# Altium PCB PROC114E3_BRD.PcbDoc (part 7 of 18)
Units mm, origin at the board's own origin, x right, y up, seen from the top; angles counter-clockwise.
Board outline 85 x 155.18 mm, 10 copper layers (TOP, L02_GND1, L03_SIG1, L04_GND2, L05_PWR1, L06_PWR2, L07_GND3, L08_SIG2, L09_GND4, BOTTOM), stack 1.134 mm thick; 1389 components, 1010 nets, 5137 pads, 3263 vias.
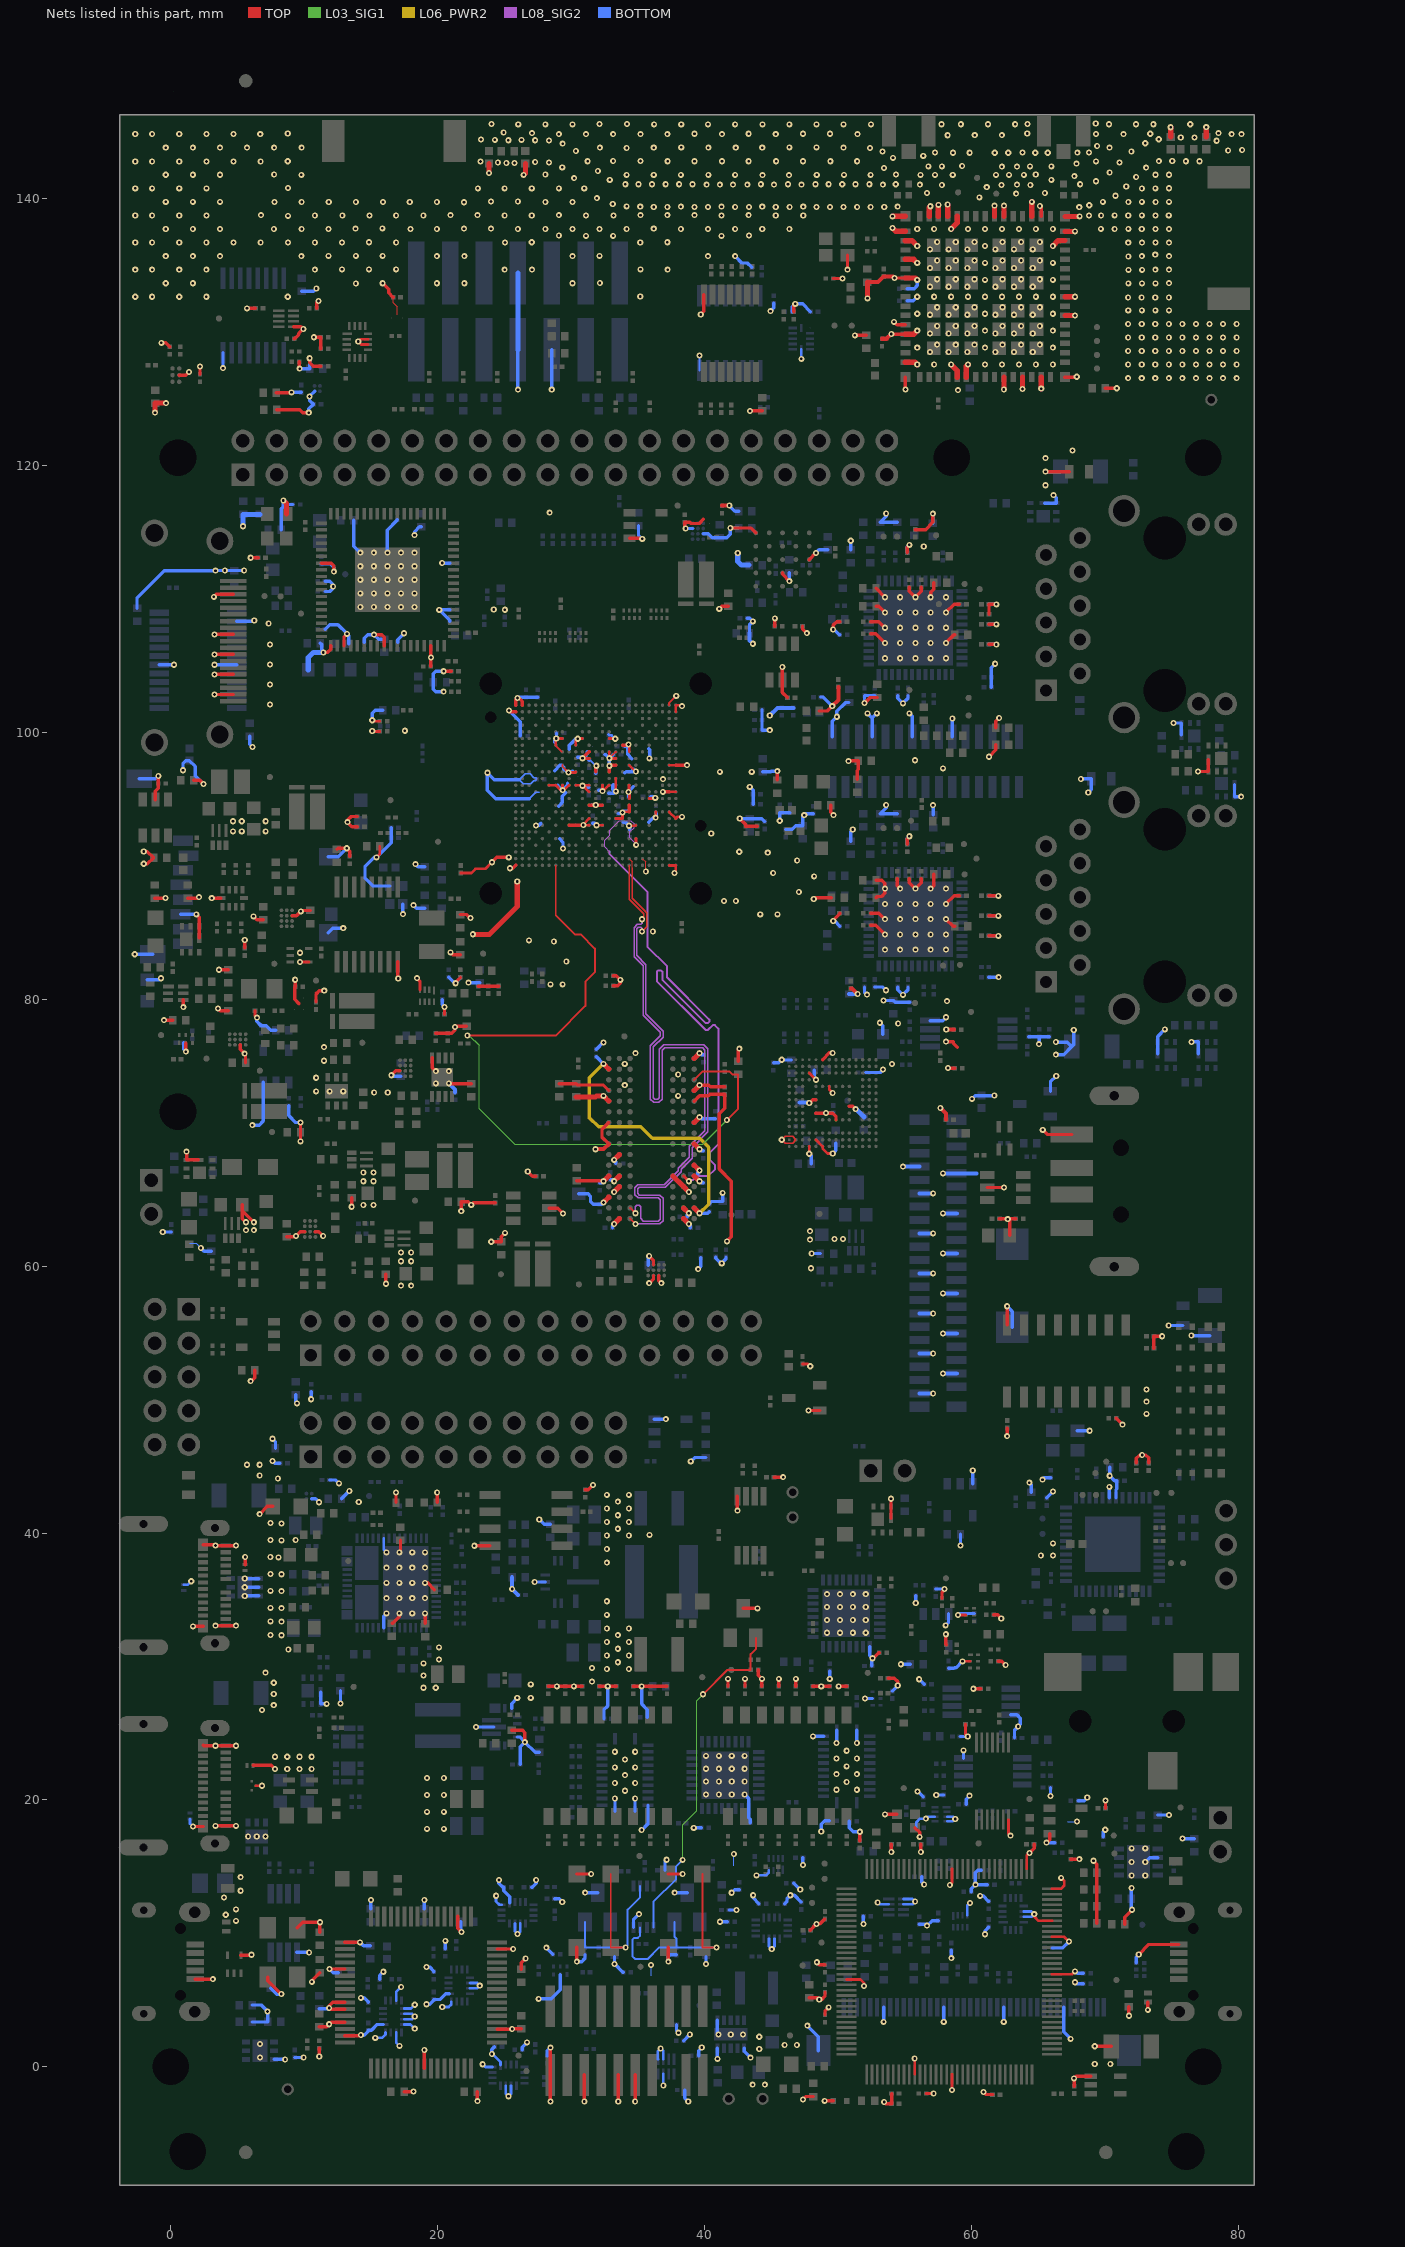
[diagram p15: the nets of this part, all layers, seen from the top]

## Via types
v1: diameter 0.457, hole 0.203, TOP to BOTTOM, 3263 vias

## Nets (pads, with @x,y where several pads share a name; then routed paths per layer and width w, separated by ;. In a path a pad name is that pad's centre, name@x,y a point inside that pad or via, vN(x,y) a via of type N, cw(c..) or ccw(c..) an arc to the next point about the centre after c; other vN are vias at no path point) (continued)
DDR_RESET#:  | length 55.8
  TOP w0.102: 28.86,86.302 28.86,90.045
  TOP w0.147: v1(22.236,77.283) 28.849,77.283 31.078,79.512 31.078,81.316 31.789,82.027 31.789,83.805 30.723,84.872 30.291,84.872 28.86,86.302 ; 39.234,73.966 39.844,74.576 41.52,74.576 41.892,74.576 42.102,74.366 42.536,74.366 42.536,71.804 v1(41.684,70.951)
  L03_SIG1 w0.091: v1(22.236,77.283) 22.394,77.283 23.113,76.564 23.113,71.812 25.77,69.155 39.887,69.155 v1(41.684,70.951)
DDR_TEN:  | length 3.9
  TOP w0.23: 29.119,73.668 30.389,73.668 30.492,73.566 32.434,73.566 32.834,73.165
DDR_UDM:  | length 49.3
  TOP w0.23: 34.86,92.045 34.86,91.693 34.864,91.689 34.864,91.609 34.885,91.589 v1(34.885,91.576) ; 38.434,66.765 v1(38.834,66.366)
  L08_SIG2 w0.081: 32.887,91.059 32.517,91.429 32.517,91.906 32.91,92.299 32.91,92.674 33.626,93.391 34.484,93.391 34.732,93.143 34.732,92.869 34.408,92.545 34.408,92.095 34.864,91.639 v1@34.864,91.609
  L08_SIG2 w0.147: 32.887,91.059 32.887,90.893 35.729,88.05 35.729,83.944 37.214,82.46 37.214,81.633 40.366,78.481 40.366,78.328 40.258,78.22 40.106,78.22 36.845,81.48 36.845,82.075 36.745,82.175 36.534,82.175 36.445,82.086 36.445,81.36 40.106,77.699 40.258,77.699 40.627,78.067 40.78,78.067 41.048,77.798 41.048,69.119 40.413,68.484 40.413,67.968 40.805,67.576 40.805,67.267 40.304,66.766 39.453,66.766 39.13,66.443 38.911,66.443 v1(38.834,66.366) ; v1@34.864,91.609 34.885,91.589 v1(34.885,91.576)
DDR_UDQS_N:  | length 49.3
  TOP w0.081: 34.36,90.545 34.611,90.295 34.611,89.854
  TOP w0.102: 34.611,89.854 34.611,87.587 35.694,86.504 35.694,85.452 v1(35.325,85.084)
  TOP w0.153: 34.434,63.566 v1(34.834,63.165)
  L08_SIG2 w0.107: v1(34.834,63.165) 36.65,63.165 36.905,63.42 36.905,65.071 36.647,65.329 35.133,65.329 35.004,65.458 35.004,65.796 35.111,65.903 37.078,65.903 38.249,67.073 38.249,67.247 39.089,68.087 39.089,68.887 40.258,70.056 40.258,76.288 39.956,76.59 36.938,76.59 36.609,76.261 36.609,72.603 36.502,72.497 36.281,72.497 36.174,72.603 36.174,76.441 36.904,77.17 36.904,77.621 35.622,78.902 35.622,82.602 34.942,83.283 34.942,85.283 35.048,85.39 35.219,85.39 35.325,85.283 v1(35.325,85.084)
DDR_UDQS_P:  | length 49.3
  TOP w0.102: 34.36,90.045 34.387,90.018 34.387,87.494 35.47,86.411 35.47,86.143 v1(35.325,85.999)
  TOP w0.153: 34.434,64.366 v1(34.834,63.966)
  L08_SIG2 w0.107: v1(34.834,63.966) 34.834,64.446 34.94,64.553 35.117,64.553 35.23,64.44 35.23,63.585 35.433,63.381 36.561,63.381 36.689,63.51 36.689,64.981 36.557,65.113 35.043,65.113 34.788,65.368 34.788,65.886 35.021,66.119 36.989,66.119 38.033,67.163 38.033,67.336 38.873,68.177 38.873,68.976 40.043,70.145 40.043,76.198 39.867,76.374 37.028,76.374 36.825,76.171 36.825,72.514 36.592,72.281 36.191,72.281 35.959,72.514 35.959,76.53 36.688,77.26 36.688,77.531 35.406,78.812 35.406,82.513 34.726,83.193 34.726,85.373 34.959,85.606 35.219,85.606 35.325,85.712 v1(35.325,85.999)
DDR_VPP:  | length 22.2
  TOP w0.381: v1(32.434,75.165) 32.834,74.765 ; 39.234,64.366 v1(39.634,63.966)
  L06_PWR2 w0.254: v1(32.434,75.165) 31.383,74.115 31.383,71.13 32.069,70.444 35.244,70.444 36.107,69.581 39.638,69.581 40.324,68.895 40.324,64.656 v1(39.634,63.966)
  BOTTOM w0.254: 31.873,75.686 31.913,75.686 v1(32.434,75.165) ; v1(39.634,63.966) 40.239,63.966 40.352,64.079
DDR_VREFCA:  | length 14.2
  TOP w0.254: 39.234,72.366 39.634,72.765 40.308,72.765 40.416,72.874 41.52,72.874 41.52,71.831 41.124,71.435 41.124,67.282 42.026,66.38 42.026,63.847 42.026,62.189 v1(41.695,61.859)
DEBOUNCE_GPIO_INT_SOC:  | length 17.8
  TOP w0.147: 39.841,14.444 39.841,8.944 v1(40.908,8.944)
  BOTTOM w0.147: 35.183,10.441 35.183,9.83 35.015,9.662 34.761,9.662 34.609,9.51 34.609,8.291 34.822,8.077 35.767,8.077 36.634,8.944 37.911,8.944 ; 37.758,10.848 37.758,9.738 37.911,9.586 37.911,8.944 ; v1(40.908,8.944) 40.121,8.944 38.927,8.944 37.911,8.944
DEBOUNCE_MCU_RESETZ:  | length 25.9
  TOP w0.147: v1(39.898,27.915) 41.731,29.748 42.018,29.748 43.472,29.748 43.472,30.51 43.472,30.921 43.852,31.301 43.852,32.152
  L03_SIG1 w0.091: v1(38.368,15.504) 38.368,18.124 39.431,19.187 39.431,27.447 v1(39.898,27.915)
  BOTTOM w0.147: 36.183,10.441 36.183,12.354 37.885,14.056 37.885,15.022 v1(38.368,15.504)
DEBOUNCE_SOC_WARMRESETN:  | length 16.6
  TOP w0.147: 32.983,14.444 32.983,8.944 v1(34.101,8.944)
  BOTTOM w0.147: 31.053,10.848 31.053,8.944 32.069,8.944 33.263,8.944 v1(34.101,8.944) 34.254,9.097 34.254,11.781 35.183,12.71 35.183,13.541
DGND:  | length 851.5
  TOP w0.081: 35.361,90.545 35.611,90.295 v1(35.611,89.581)
  TOP w0.086: 16.674,132.609 16.674,132.189 16.968,131.895 16.968,131.297
  TOP w0.102: 28.86,99.045 28.86,99.006 29.322,98.545 29.361,98.545 ; v1(45.8,69.472) 46.05,69.222 46.61,69.222 46.86,69.472 46.61,69.722 46.05,69.722 v1(45.8,69.472)
  TOP w0.152: v1@29.361,95.658 v1(29.379,95.677) ; 29.361,97.545 29.361,97.455 v1(29.816,97) ; v1(32.88,98.062) 33.361,98.542 33.361,98.545 ; 37.361,102.045 37.361,102.211 v1(37.888,102.739)
  TOP w0.203: 6.376,21.058 v1(6.847,21.058) ; 14.794,129.072 14.285,129.072 v1(14.06,129.296) 14.235,129.471 14.794,129.471 ; v1(15.107,100.101) 15.133,100.075 15.679,100.075 ; v1(15.107,100.914) 15.184,100.837 15.679,100.837 ; v1(15.432,90.637) 15.664,90.87 15.664,91.473 ; 21.751,89.467 22.54,89.467 22.846,89.774 23.579,89.774 v1(24.079,90.274) ; 28.36,96.045 28.86,96.045 29.247,95.658 29.361,95.658 29.361,96.045 ; 28.86,99.045 28.86,99.507 v1(28.899,99.545) 29.361,99.545 ; v1(29.379,95.677) 29.492,95.677 29.86,96.045 ; v1(29.816,97) 30.315,97 30.36,97.045 ; 30.36,96.045 30.817,96.045 v1(30.86,96.002) ; 30.36,99.045 30.36,99.376 v1(30.509,99.525) 30.53,99.545 30.86,99.545 ; 31.361,93.045 30.944,93.045 v1(30.928,93.061) 30.928,93.113 31.361,93.545 ; 31.361,95.545 30.904,96.002 v1(30.86,96.002) 30.904,96.045 31.361,96.045 ; v1(31.922,93.045) 32.36,93.045 ; 32.36,96.045 v1(32.36,95.601) 32.416,95.601 32.86,96.045 ; 32.86,98.545 32.86,98.082 v1(32.88,98.062) 32.897,98.045 33.361,98.045 ; 32.86,99.545 33.3,99.545 v1(33.318,99.527) ; 33.361,93.545 33.86,93.545 v1(33.86,94.002) 33.872,94.002 33.915,94.045 34.36,94.045 ; v1(33.361,95.588) 33.361,96.045 33.361,96.545 ; v1(34.318,99.088) 34.36,99.046 34.36,98.545 ; v1(34.357,93.01) 34.825,93.01 34.86,93.045 ; 34.36,95.045 34.38,95.065 34.38,95.47 v1(34.318,95.532) 34.355,95.568 34.355,96.039 34.36,96.045 ; 34.36,97.545 34.84,97.065 v1(34.86,97.065) ; 35.86,95.045 36.263,95.045 v1(36.318,95.1) ; v1(36.346,93.612) 36.346,93.627 36.36,93.641 36.36,94.045 ; 37.361,90.045 37.378,90.028 37.843,90.028 37.86,90.045 37.86,89.571 v1(37.758,89.469) ; 37.361,94.045 37.86,93.545 37.99,93.674 v1(38.32,93.674) ; 37.361,95.545 37.86,95.545 ; 37.361,97.545 37.86,97.545 ; 37.86,101.545 37.86,102.045 38.238,102.045 v1(38.316,101.967) ; v1(47.86,68.427) 47.86,68.972 ; 47.86,74.472 v1(48.36,73.972) ; 48.36,69.472 48.86,68.972 48.86,68.817 49.239,68.438 v1(49.62,68.438) ; 49.36,73.472 49.36,73.222 v1(49.61,72.972) ; 50.658,6.537 51.703,6.537 51.957,6.283 v1(51.957,6.048) ; 55.758,-0.563 v1(55.758,0.618) ; v1(58.396,13.625) 58.558,13.786 58.558,14.837 ; v1(58.558,-1.744) 58.558,-0.563 ; v1(59.008,33.862) 59.592,33.862 ; v1(59.337,30.382) 59.921,30.382 ; 62.794,18.512 62.794,17.47 v1(62.941,17.323) ; 64.158,14.837 64.158,15.819 v1(64.358,16.019) ; v1(64.721,11.44) 64.721,11.249 65.033,10.937 66.058,10.937 ; 66.058,6.938 67.571,6.938 v1(67.781,7.148) ; 66.058,9.737 66.969,9.737 v1(67.324,9.383) ; 66.058,13.337 66.732,13.337 66.968,13.574 66.968,13.933 v1(66.741,14.161)
  TOP w0.254: v1(-2.02,90.16) -1.741,90.16 -1.284,90.617 -1.741,91.074 v1(-2.02,91.074) ; -1.19,87.587 v1(-0.39,87.587) ; -1.143,94.965 -1.143,95.602 -0.926,95.818 -0.926,96.175 v1(-0.926,96.733) ; v1(-0.697,129.195) -0.354,129.195 -0.057,128.897 ; v1(-0.505,78.44) 0.155,78.44 ; 0.64,126.779 1.141,126.779 v1(1.373,127.01) ; 0.945,79.952 0.954,79.943 v1(0.954,79.411) ; v1(1.135,76.079) 1.135,76.714 ; v1(1.194,68.58) 1.194,67.968 2.074,67.968 ; 1.274,87.587 2.031,87.587 2.097,87.653 v1(2.122,87.653) ; v1(1.668,18.008) 2.43,18.008 ; v1(1.668,33.008) 2.43,33.008 ; 1.723,96.403 2.198,96.403 v1(2.465,96.136) ; 1.84,6.564 v1(3.163,6.564) ; v1(1.922,86.367) 2.142,86.146 2.142,85.475 2.142,84.595 ; 2.196,126.845 v1(2.196,127.425) ; 2.43,24.108 2.48,24.058 v1(3.368,24.058) 4.13,24.058 v1(4.892,24.058) ; 2.43,39.108 3.318,39.108 v1(3.368,39.058) 4.13,39.058 v1(4.892,39.058) ; v1(3.078,87.577) 3.777,87.577 ; v1(3.235,110.165) 3.417,110.346 4.69,110.346 ; v1(3.281,102.847) 4.69,102.847 ; v1(3.281,104.347) 4.69,104.347 ; v1(3.281,105.847) 4.69,105.847 ; v1(3.281,107.346) 4.69,107.346 ; v1(3.368,18.058) 4.13,18.058 v1(4.892,18.058) ; v1(3.368,33.058) 4.13,33.058 v1(4.892,33.058) ; v1(3.545,79.309) 3.704,79.149 4.332,79.149 ; v1(3.619,82.212) 4.332,82.212 ; 5.222,76.585 5.222,76.254 v1(5.546,75.93) 5.612,75.864 5.612,75.231 ; 5.258,8.371 6.038,8.371 v1(6.059,8.392) ; 5.369,64.598 5.369,64.152 ; 5.55,83.843 v1(5.55,84.451) ; 5.58,37.625 v1(5.58,38.199) ; v1(5.644,63.288) 5.369,63.563 5.369,64.152 ; v1(5.716,131.783) 6.353,131.783 ; v1(5.992,51.381) 6.052,51.381 6.312,51.641 6.312,52.197 ; v1(5.996,113.091) 6.554,113.091 ; 6.178,22.591 7.551,22.591 v1(7.824,22.317) ; v1(6.216,86.218) 6.468,85.965 6.93,85.965 ; v1(6.233,63.288) 5.369,64.152 ; 6.323,79.155 6.323,78.765 v1(6.466,78.623) ; v1(6.669,41.412) 7.253,41.996 7.638,41.996 ; 7.285,6.723 7.285,6.455 v1(8.294,5.446) ; 7.921,125.461 9.032,125.461 v1(9.056,125.485) ; 7.946,124.191 9.666,124.191 9.895,123.963 v1(10.352,123.963) ; 8.697,62.199 9.33,62.199 v1(9.395,62.265) 9.719,62.589 10.05,62.589 ; 9.101,86.269 9.432,86.269 v1(9.756,86.593) 9.821,86.658 10.454,86.658 ; 9.202,130.413 9.77,130.413 v1(9.944,130.238) 9.607,129.901 9.607,129.819 9.28,129.492 9.267,129.492 ; v1(9.33,81.465) 9.33,80.935 9.292,80.896 9.292,80.098 9.292,79.993 9.617,79.668 ; 9.486,10.423 9.894,10.831 v1(11.19,10.831) 11.18,10.82 11.18,10.086 ; 9.632,127.789 9.632,127.297 v1(9.666,127.264) ; v1(9.696,82.797) 10.356,82.797 ; v1(9.732,69.351) 9.732,70.049 v1(9.732,70.764) ; v1(10.416,128.04) 10.416,127.713 10.7,127.43 11.244,127.43 ; v1(10.58,6.36) 10.58,6.46 11.18,7.059 ; v1(10.733,129.619) 11.247,129.619 11.247,128.755 ; 10.85,62.589 11.103,62.589 v1(11.427,62.265) ; 10.893,79.798 10.893,80.396 11.142,80.646 v1(11.512,80.646) ; 10.952,131.783 10.952,132.203 v1(11.078,132.329) ; 11.129,3 11.691,3 v1(11.876,3.185) 12.013,3.323 13.059,3.323 ; v1(11.139,0.772) 11.139,1.381 ; 11.295,112.69 12.049,112.69 12.23,112.509 v1(12.23,112.052) ; v1(11.444,105.992) 11.741,105.992 11.995,106.246 11.995,106.49 ; v1(11.897,7.323) 13.059,7.323 ; 12.462,91.242 12.543,91.323 v1(13.197,91.323) 13.425,91.095 13.425,90.714 ; 12.995,106.49 12.995,107.164 v1(13.22,107.389) ; 13.059,2.323 14.2,2.323 v1(14.251,2.373) ; 13.059,4.323 11.96,4.323 v1(11.878,4.404) 11.878,4.569 12.132,4.823 13.059,4.823 ; 13.059,9.323 v1(14.189,9.323) ; v1(13.567,64.45) 13.567,65.128 ; 13.975,92.939 13.588,92.939 v1(13.247,93.279) 13.247,93.421 13.527,93.701 13.975,93.701 ; v1(15.24,107.326) 15.811,107.326 15.995,107.143 15.995,106.49 ; v1(15.887,133.663) 16.334,133.215 16.334,132.935 16.661,132.609 16.674,132.609 ; v1(16.133,58.684) 16.133,59.388 ; v1(16.536,74.311) 16.86,74.635 17.191,74.635 ; 16.586,33.229 16.637,33.229 17.138,33.73 v1(17.138,33.979) ; 16.888,42.285 v1(16.888,43.035) ; 17.012,82.815 17.012,81.598 v1(17.054,81.557) ; v1(17.138,38.551) 17.221,38.634 17.221,39.454 ; 17.489,-1.862 v1(18.2,-1.862) ; v1(18.467,81.582) 18.684,81.365 18.684,80.712 ; 19.009,-0.127 v1(19.009,1.259) ; v1(19.068,33.979) 19.081,33.966 19.081,33.216 ; v1(19.068,36.265) 19.256,36.265 19.76,35.761 ; 19.494,104.938 19.494,105.609 v1(19.508,105.623) 19.494,105.636 19.494,106.49 ; 19.592,75.605 19.592,74.866 19.846,74.612 v1(19.874,74.612) ; 19.871,77.457 20.76,77.457 21.058,77.457 21.312,77.711 v1(21.312,77.918) 21.388,77.994 22.173,77.994 ; 19.969,42.288 v1(19.969,43.038) ; v1(20.46,104.582) 21.019,104.582 ; 20.519,78.883 v1(20.519,79.429) ; v1(20.85,73.698) 20.871,73.678 22.544,73.678 ; v1(20.965,83.518) 21.143,83.34 21.711,83.34 ; v1(21.361,81.205) 21.361,81.263 21.718,81.62 21.718,81.652 ; 21.509,11.273 21.509,10.385 v1(21.802,10.092) ; 21.711,86.352 22.206,86.352 v1(22.468,86.091) ; v1(21.778,64.124) 21.778,64.827 22.292,64.827 v1(22.524,64.595) 22.668,64.739 24.336,64.739 ; v1(22.758,39.05) 23.933,39.05 ; v1(22.989,-2.581) 22.989,-1.862 ; 23.054,80.989 23.816,80.989 24.578,80.989 ; v1(24.024,61.827) 24.768,61.827 24.768,62.203 v1(25.058,62.494) ; v1(24.079,90.274) 24.442,90.637 v1(25.338,90.637) ; 24.459,2.823 v1(25.589,2.823) 25.61,2.843 26.288,2.843 ; 24.459,8.823 v1(25.668,8.823) ; v1(25.351,101.645) 25.452,101.545 25.861,101.545 ; v1(25.427,89.825) 25.64,89.825 25.861,90.045 ; 25.549,25.212 26.376,25.212 26.543,25.044 v1(26.543,24.324) ; 25.861,102.045 25.861,102.438 v1(25.998,102.575) 26.106,102.575 26.36,102.321 26.36,102.045 ; 26.288,7.303 26.288,7.793 v1(26.608,8.113) ; v1(26.76,67.092) 27.114,66.737 27.379,66.737 ; 28.31,28.51 v1(28.945,28.51) 29.58,28.51 v1(30.215,28.51) 30.85,28.51 ; 28.364,64.348 29.008,64.348 v1(29.411,63.945) ; v1(28.462,-2.606) 28.462,-0.612 v1(28.462,1.433) ; 29.86,93.045 30.36,93.045 30.913,93.045 v1(30.928,93.061) ; 30.42,66.409 32.391,66.409 v1(32.434,66.366) ; v1(30.443,7.877) 30.443,8.944 ; 30.443,14.444 v1(31.51,14.444) ; v1(31.002,-2.606) 31.002,-0.612 ; 31.06,43.242 31.295,43.242 v1(31.65,43.596) ; 31.361,94.545 31.844,94.545 v1(31.86,94.561) 31.877,94.545 32.36,94.545 ; 31.361,98.045 30.877,98.045 v1(30.86,98.062) 31.344,98.545 31.361,98.545 ; 31.86,97.045 31.86,97.46 v1(31.904,97.503) ; 32.12,28.51 v1(32.755,28.51) 33.39,28.51 ; 32.834,69.165 32.325,69.674 32.325,70.257 32.834,70.765 ; 32.86,97.045 32.86,97.483 v1(32.88,97.503) 32.922,97.545 33.361,97.545 ; 33.173,81.003 33.509,81.003 33.702,81.196 v1(33.702,81.459) 33.396,81.765 33.173,81.765 ; v1(33.542,-2.606) 33.542,-0.612 ; 33.86,99.045 34.275,99.045 v1(34.318,99.088) ; 34.36,94.045 34.36,94.545 ; 34.394,114.559 35.289,114.559 v1(35.344,114.505) ; 34.66,28.51 v1(35.295,28.51) 35.93,28.51 37.2,28.51 ; v1(34.812,-2.606) 34.812,-0.612 ; v1(35.859,58.723) 35.892,58.723 36.184,59.014 36.184,59.3 ; v1(35.859,60.755) 36.184,60.431 36.184,60.1 ; 36.583,59.3 36.583,58.914 v1(36.774,58.723) ; v1(36.889,95.545) 37.361,95.545 ; v1(37.301,7.877) 37.301,8.944 ; 37.301,14.444 v1(38.368,14.444) ; 37.86,97.545 v1(38.701,97.545) ; v1(38.597,115.284) 38.528,115.353 38.528,115.748 38.911,115.748 39.001,115.658 39.495,115.658 39.6,115.658 39.925,115.983 ; v1(39.634,73.566) 40.327,73.566 40.459,73.433 41.52,73.433 ; v1(39.729,131.321) 39.96,131.553 39.96,132.821 ; v1(41.115,109.259) 41.307,109.451 41.797,109.451 ; 41.772,28.51 v1(41.772,29.069) ; v1(41.946,115.317) 43.495,115.317 43.857,114.955 ; v1(42.476,41.674) 42.476,42.745 ; 42.536,75.346 42.536,76.217 v1(42.622,76.303) ; v1(42.653,93.545) 43.081,93.116 43.081,92.98 43.97,92.98 ; 42.902,34.352 v1(43.98,34.352) ; 43.042,28.51 v1(43.042,29.069) ; v1(43.416,124.097) 44.351,124.097 ; 44.032,29.748 44.032,29.348 v1(44.312,29.069) 44.312,28.51 ; 45.215,44.189 v1(45.9,44.189) ; 45.281,107.96 v1(45.281,108.552) ; 45.467,96.436 v1(45.467,97.096) ; 45.582,28.51 v1(45.582,29.069) ; v1(45.84,104.907) 45.84,103.932 45.84,102.993 46.231,102.603 ; 46.7,131.518 46.7,132.006 v1(46.812,132.118) ; 46.852,28.51 v1(46.852,29.069) ; 47.35,107.96 47.35,107.769 v1(47.676,107.444) ; 47.354,52.666 47.766,52.666 v1(47.93,52.502) ; v1(47.385,-2.454) 47.606,-2.232 48.172,-2.232 ; v1(47.8,49.18) 48.638,49.18 ; v1(47.86,72.222) 48.11,72.472 48.36,72.472 ; 47.868,5.157 48.486,5.157 v1(48.604,5.039) 48.782,5.039 49.036,5.293 49.036,5.578 ; 47.944,10.221 47.944,10.247 v1(48.401,10.704) 48.666,10.704 49.036,11.074 ; 48.122,28.51 v1(48.757,28.51) 49.392,28.51 ; v1(48.198,87.513) 48.299,87.615 49.511,87.615 ; 48.36,71.472 v1(49.11,71.472) 49.608,71.472 49.86,71.221 49.86,70.972 ; v1(48.426,7.833) 48.614,7.646 49.036,7.646 ; 48.622,101.608 49.221,101.608 v1(49.58,101.966) ; 48.86,75.472 49.368,75.981 v1@49.61,75.981 ; v1(49.011,-2.556) 49.661,-2.556 ; 49.036,3.897 49.036,4.176 v1(49.315,4.455) ; 49.471,94.547 49.471,94.002 v1(49.671,93.802) ; v1(49.653,107.719) 49.653,108.05 49.907,108.304 50.131,108.304 ; v1(49.658,85.875) 49.658,85.926 50.131,86.398 50.131,86.46 ; 49.659,134.02 v1(50.343,134.02) ; v1(50.065,28.51) 50.662,28.51 ; v1(50.724,134.68) 50.724,135.769 ; v1(50.796,97.846) 50.814,97.864 51.539,97.864 51.539,97.23 51.449,97.14 51.449,96.487 ; 50.86,71.972 51.13,71.972 v1(51.337,71.765) ; v1(51.279,129.761) 52.135,129.761 ; 51.652,16.946 v1(51.652,17.612) ; v1(52,102.205) 52.413,102.619 52.948,102.619 ; 52.462,85.546 52.845,85.546 v1(53.53,84.86) ; 52.462,86.46 53.073,86.46 v1(53.53,86.003) ; 52.462,107.39 52.845,107.39 v1(53.53,106.704) ; 52.462,108.304 53.073,108.304 v1(53.53,107.847) ; v1(52.592,30.617) 52.643,30.617 53.06,31.034 53.113,31.034 ; 52.861,87.616 52.948,87.704 53.276,87.704 53.53,87.958 v1(53.53,88.289) 53.53,88.683 53.29,88.923 52.861,88.923 ; 52.861,109.46 53.061,109.46 v1(53.53,108.99) ; 52.861,110.799 52.865,110.799 v1(53.53,110.133) ; v1(53.471,-2.642) 53.598,-2.769 54.03,-2.769 54.03,-2.007 ; v1(53.539,18.915) 54.432,18.915 ; 53.762,29.128 54.238,29.128 54.492,28.874 v1(54.492,28.575) ; 53.984,41.121 53.984,42.001 v1(53.984,42.57) ; v1(54.014,16.091) 54.014,16.662 ; v1(54.014,129.854) 55.065,129.854 ; v1(54.218,130.769) 54.433,130.554 55.065,130.554 ; v1(54.253,134.054) 55.065,134.054 ; 54.446,89.031 54.446,88.516 v1(54.673,88.289) ; v1(55.065,125.702) 55.065,126.629 ; 55.208,91.62 55.208,92.026 55.36,92.179 v1(55.36,92.217) ; 55.208,113.464 55.208,113.87 55.36,114.023 v1(55.36,114.061) ; 55.361,89.031 55.361,88.745 v1(55.816,88.289) 56.25,88.722 56.25,89.031 ; 55.361,110.875 55.361,110.589 v1(55.816,110.133) 56.25,110.566 56.25,110.875 ; 55.781,17.915 56.134,17.563 v1(56.134,17.229) ; 55.805,115.2 56.58,115.2 57.12,115.739 v1(57.12,116.393) ; v1(56.225,16.091) 56.225,16.662 ; 56.623,-2.007 v1(57.181,-2.007) ; v1(56.959,88.289) 57.191,88.521 57.191,89.371 ; v1(56.959,110.133) 56.959,110.499 57.191,110.73 57.191,111.215 ; 57.809,35.107 57.809,35.58 58.002,35.773 v1(58.002,35.801) ; v1(58.096,32.415) 58.096,31.669 58.138,31.627 ; v1(58.1,76.828) 58.641,76.828 58.641,76.723 58.966,76.398 ; v1(58.102,86.003) 58.642,85.463 58.764,85.463 ; v1(58.102,87.146) 58.71,87.753 59.087,87.753 ; v1(58.102,106.704) 58.706,107.307 58.764,107.307 ; v1(58.102,108.99) 58.71,109.597 59.087,109.597 ; v1(58.25,74.846) 58.758,74.846 ; 59.565,25.674 59.565,24.929 v1(59.741,24.754) ; v1(60.154,28.331) 60.713,28.331 ; v1(60.923,-1.895) 61.111,-2.083 61.598,-2.083 ; 61.197,65.895 v1(62.459,65.895) ; 61.324,84.753 v1(62.027,84.753) ; 61.324,86.253 v1(62.027,86.253) ; 61.324,87.753 v1(62.027,87.753) ; 61.324,106.597 v1(61.883,106.597) ; 61.324,108.097 v1(61.883,108.097) ; 61.33,108.849 61.33,109.591 61.324,109.597 v1(61.883,109.597) ; v1(61.335,98.18) 61.846,98.691 61.846,99.089 ; 61.692,33.862 61.972,33.862 v1(62.245,33.589) ; 61.846,100.359 61.846,100.831 v1(62.092,101.077) ; 62.02,30.382 62.301,30.382 v1(62.574,30.109) ; 62.111,63.555 62.709,63.555 v1(62.738,63.525) ; v1(62.688,47.258) 62.688,47.868 ; 62.688,55.593 v1(62.688,56.998) ; 62.884,62.297 62.884,63.379 v1(62.738,63.525) ; 63.337,63.555 62.767,63.555 v1(62.738,63.525) ; v1(64.358,16.019) 64.708,16.369 64.708,16.673 ; v1(65.14,139.456) 65.24,139.355 65.24,138.679 ; v1(65.354,70.216) 65.7,69.871 67.528,69.871 ; v1(65.571,119.543) 67.344,119.543 ; v1(65.641,16.793) 65.872,17.024 65.872,17.47 ; 67.016,126.629 67.883,126.629 v1(67.908,126.655) ; 67.458,15.556 v1(68.099,15.556) ; 67.705,-1.452 v1(67.705,-0.867) 67.861,-0.711 68.957,-0.711 ; v1(69.155,15.442) 69.414,15.183 69.414,14.554 69.414,13.284 69.414,12.014 69.414,10.744 ; v1(69.254,1.534) 70.497,1.534 ; 70.054,125.791 v1(70.905,125.791) ; 70.061,19.37 v1(70.061,19.949) ; 70.868,48.588 v1(71.337,48.119) ; 71.496,10.686 71.496,11.218 v1(72.048,11.77) ; v1(71.814,3.824) 71.814,4.493 ; 72.379,45.248 72.379,45.59 72.633,45.844 v1(72.81,45.844) 73.077,45.844 73.293,45.629 73.293,45.248 ; v1(72.55,8.407) 73.307,9.164 75.54,9.164 ; v1(73.237,4.267) 73.237,4.846 ; 73.687,53.858 73.687,54.747 v1(74.309,54.747) ; v1(76.987,97.072) 77.769,97.072 77.769,97.953
  TOP w0.305: v1(31.843,68.765) 32.434,68.765 32.834,69.165 ; 41.322,116.995 41.717,116.995 41.725,117.003 v1(41.873,117.003) ; v1(49.58,101.966) 50.037,102.423 50.037,103.415 ; 50.984,80.807 51.078,80.807 v1(51.487,80.398) ; 52.218,133.751 53.01,133.751 53.43,134.171 54.136,134.171 v1(54.253,134.054) ; 53.309,129.505 53.665,129.505 v1(54.014,129.854) ; v1(57.683,71.857) 58.111,71.429 58.111,70.975 ; v1(58.129,77.734) 58.136,77.727 58.696,77.727
  TOP w0.381: v1(-1.167,123.962) -1.167,124.679 v1(-0.354,124.679) ; v1(8.447,117.384) 8.677,117.153 8.677,116.384 ; v1(22.647,84.872) 23.89,84.872 25.973,86.954 v1(25.973,88.834) ; v1(23.853,141.925) 23.853,142.645 ; v1(26.453,141.791) 26.478,141.791 26.578,141.89 26.578,142.645 ; 30.389,72.688 31.849,72.688 31.926,72.765 v1(32.434,72.765) 32.834,72.366 ; v1(32.434,64.765) 32.834,65.165 ; v1(32.434,66.366) 32.834,66.765 ; v1(33.234,63.165) 33.634,63.566 ; v1(33.234,65.566) 33.634,65.966 ; v1(33.234,66.366) 33.634,66.765 ; v1(33.234,67.966) 33.634,68.366 ; 37.634,66.765 38.434,65.966 v1(38.834,65.566) ; 38.434,63.566 v1(38.834,63.165) ; 38.434,64.366 v1(38.834,63.966) ; 39.234,66.765 v1(39.634,66.366) ; 39.234,67.566 v1(39.634,67.165) ; 39.234,69.165 v1(39.634,68.765) ; 39.234,70.765 v1(39.634,71.165) ; 39.234,73.165 v1(39.634,73.566) ; 39.234,75.566 v1(39.634,75.966) ; v1(52.218,132.529) 52.218,133.751 ; v1(61.736,139.482) 61.741,139.477 61.741,138.679 ; 62.441,126.629 62.442,126.628 v1(62.442,125.696) ; 62.441,138.679 62.441,139.41 62.447,139.417 v1(62.447,139.482) ; 63.841,126.629 63.842,126.628 v1(63.842,125.74) ; 66.587,136.854 67.016,136.854 ; 67.016,131.254 v1(67.778,131.254) ; 67.016,132.654 v1(67.778,132.654) ; 67.016,137.554 v1(67.782,137.554) ; 67.016,138.679 v1(68.122,138.679) ; 77.608,145.042 v1(77.608,145.365)
  TOP w0.406: v1(54.103,137.804) 54.353,137.554 55.065,137.554 ; v1(54.103,138.675) 54.108,138.679 55.065,138.679 ; 55.065,127.754 55.766,127.754 v1(55.952,127.569) ; 55.065,129.854 55.697,129.854 v1(55.952,130.109) ; 55.065,134.054 55.816,134.054 v1(55.952,133.919) ; 55.065,135.454 55.686,135.454 v1(55.952,135.189) ; 55.065,136.854 55.557,136.854 v1(55.952,136.459) ; 56.841,138.679 56.841,139.336 v1(56.935,139.431) ; 57.54,138.679 v1(57.542,139.539) v1(57.542,139.539) ; v1(58.231,139.558) 58.231,138.689 58.24,138.679 ; v1(58.492,127.569) 58.94,127.12 58.94,126.629 ; v1(58.492,137.729) 58.94,138.178 58.94,138.679 ; 59.64,126.629 59.64,127.448 v1(59.762,127.569) ; 64.541,138.679 v1(64.542,139.762) v1(64.542,139.762) ; 65.24,126.629 65.242,126.628 v1(65.242,125.763) ; v1(66.112,136.459) 66.507,136.854 66.587,136.854 ; 74.946,144.625 v1(74.946,145.351) ; 77.608,145.042 77.608,144.632 77.615,144.625
  BOTTOM w0.086: 1.426,61.702 1.911,61.702 v1(2.259,61.354) ; 36.006,6.838 v1(36.006,7.63) ; 42.21,15.077 v1(42.21,15.944) ; 67.218,18.376 v1(67.919,18.376)
  BOTTOM w0.102: 26.127,96.456 26.557,96.886 26.944,96.886 27.223,96.606 27.344,96.606 27.445,96.505 27.445,96.487 27.321,96.363 27.196,96.363 26.982,96.149 26.975,96.149 26.967,96.141 26.442,96.141 26.127,96.456
  BOTTOM w0.127: 26.881,95.032 27.363,95.514 27.599,95.514
  BOTTOM w0.147: 39.635,127.121 v1(39.635,128.252)
  BOTTOM w0.152: 31.368,97.921 31.432,97.921 31.85,97.503 v1(31.904,97.503)
  BOTTOM w0.178: v1(56.594,18.593) 56.749,18.748 57.284,18.748 ; 58.184,18.398 58.624,18.398 v1(58.801,18.575) 58.628,18.748 58.184,18.748
  BOTTOM w0.203: 0.98,36.13 1.288,36.13 v1(1.545,36.387) ; 1.455,18.57 1.455,18.221 v1(1.668,18.008) ; v1(15.33,2.163) 15.848,2.163 16.102,2.417 16.102,2.57 ; 15.97,39.615 15.97,38.753 v1(16.172,38.551) ; 16.902,2.57 16.902,1.811 v1(17.148,1.565) ; 16.902,4.97 16.902,5.602 v1(17.275,5.975) ; 17.502,3.17 17.975,3.17 v1(18.29,2.855) ; 17.502,3.57 18.09,3.57 v1(18.29,3.77) 18.09,3.97 17.502,3.97 ; 17.502,4.37 18.01,4.37 v1(18.291,4.651) ; v1(20.357,4.474) 20.832,4.474 21.03,4.672 21.03,4.881 ; 22.43,5.881 22.967,5.881 v1(23.167,6.081) 22.967,6.281 22.43,6.281 ; v1@23.534,0.036 23.595,-0.025 24.112,-0.025 ; v1(24.068,0.95) 24.119,0.95 24.712,0.356 24.712,0.125 ; v1(24.392,12.814) 24.384,12.807 24.384,12.395 24.638,12.141 24.798,12.141 ; 25.112,-1.425 25.112,-2.013 v1(25.312,-2.213) 25.512,-2.013 25.512,-1.425 ; 25.798,10.741 25.798,10.154 v1(25.998,9.954) 26.198,10.154 26.198,10.741 ; 32.816,99.845 32.878,99.783 33.04,99.783 33.296,99.527 v1(33.318,99.527) ; 36.52,0.561 36.514,0.568 36.514,1.167 v1(36.721,1.374) 36.92,1.174 36.92,0.561 ; v1(36.92,-1.412) 36.92,-0.538 ; v1(43.9,14.348) 44.622,14.348 44.826,14.552 44.826,14.712 ; 44.848,9.598 44.848,9.011 v1(45.048,8.811) 45.248,9.011 45.248,9.598 ; v1(47.269,128) 47.269,128.714 ; v1(52.986,12.316) 53.122,12.18 53.821,12.18 ; 54.921,12.18 55.593,12.18 v1(55.792,12.38) 55.592,12.58 54.921,12.58 ; 55.879,17.907 55.879,18.31 56.162,18.593 v1(56.594,18.593) ; 59.696,11.357 59.696,12.067 v1(59.907,12.278) ; 63.934,11.24 64.521,11.24 v1(64.721,11.44) 64.521,11.64 63.934,11.64
  BOTTOM w0.254: v1(-2.692,83.377) -1.349,83.377 ; -2.52,109.302 -2.52,110.1 -0.494,112.126 v1(3.367,112.126) 3.374,112.133 v1(4.059,112.133) 4.783,112.133 v1(5.507,112.133) ; -2.349,96.527 -1.133,96.527 v1(-0.926,96.733) ; -1.754,81.458 -0.85,81.458 v1(-0.728,81.58) ; -0.855,105.071 v1(0.249,105.071) ; v1(-0.591,62.562) 0.053,62.562 ; 0.741,86.367 v1(1.922,86.367) ; v1(0.928,97.165) 0.928,97.679 1.134,97.884 1.409,97.884 1.843,97.451 1.843,96.759 v1(2.465,96.136) ; 0.966,76.756 0.966,76.247 v1(1.135,76.079) ; v1(2.259,61.354) 2.497,61.115 3.048,61.115 ; v1(3.281,105.071) 4.944,105.071 ; v1(3.921,127.301) 3.921,128.444 ; 4.944,108.322 6.198,108.322 v1(6.262,108.386) ; v1(5.549,35.286) 6.599,35.286 ; v1(5.549,35.936) 6.599,35.936 ; v1(5.549,36.586) 6.599,36.586 ; 5.923,99.699 5.923,99.126 v1(6.134,98.915) ; 6.121,3.357 7.263,3.357 v1(7.263,4.14) 6.776,4.627 6.121,4.627 ; v1(6.121,70.568) 6.634,70.568 6.946,70.879 6.946,73.777 ; v1(6.466,78.623) 6.466,78.34 6.771,78.035 6.771,78.016 7.174,78.016 7.506,77.684 7.866,77.684 ; 7.504,5.889 7.947,5.446 v1(8.294,5.446) ; v1(7.633,45.4) 7.811,45.222 8.192,45.222 ; v1(7.633,47.064) 7.855,46.842 7.855,46.365 ; 7.748,0.549 v1(8.579,0.549) ; 8.276,115.174 8.276,116.756 8.447,116.926 v1(8.447,117.384) 8.752,117.079 9.157,117.079 ; 8.846,72.017 8.846,71.29 9.372,70.764 v1(9.732,70.764) ; v1(9.056,125.485) 9.799,125.485 ; 9.31,0.695 v1(9.97,0.695) ; 9.386,50.371 9.386,49.795 v1(9.463,49.718) ; 9.454,8.573 10.374,8.573 v1(10.377,8.57) ; v1(9.666,127.264) 10.416,127.264 v1(10.416,128.04) ; 9.817,133.065 10.708,133.065 v1(10.915,133.272) ; v1(10.352,123.963) 10.352,124.249 10.706,124.603 10.403,124.906 v1(10.403,125.181) 10.786,125.565 10.786,125.571 ; v1@10.529,50.023 10.529,50.581 ; 10.572,42.558 10.858,42.558 v1(11.112,42.304) ; 11.129,4.343 11.817,4.343 v1(11.878,4.404) ; 11.223,106.69 11.317,106.596 11.317,106.119 v1(11.444,105.992) ; 11.242,28.08 11.242,27.2 v1(11.687,27.2) ; 11.295,112.63 11.976,112.63 12.23,112.376 v1(12.23,112.052) ; 11.575,107.741 11.587,107.741 11.914,108.068 12.541,108.068 v1(13.22,107.389) 13.347,107.262 13.347,106.651 ; 11.575,110.563 11.927,110.563 12.181,110.817 v1(12.181,110.944) 12.181,111.071 11.927,111.325 11.575,111.325 ; 11.801,84.977 12.153,85.329 v1(12.931,85.329) ; 11.801,90.677 12.55,90.677 v1(13.197,91.323) ; v1(11.897,7.323) 12.168,7.052 12.558,7.052 ; 11.903,43.972 12.364,43.972 v1(12.612,43.724) ; v1(12.727,27.228) 12.727,28.17 ; 12.803,42.561 v1(13.391,43.149) ; 13.732,115.898 13.732,113.953 v1(14.213,113.472) ; v1(14.189,9.323) 14.453,9.059 14.947,9.059 ; v1(14.251,2.373) 14.492,2.373 14.797,2.678 14.797,2.728 15.05,2.728 15.492,3.17 15.952,3.17 ; v1(14.251,5.166) 14.492,5.166 14.797,4.862 14.797,4.812 ; 14.495,106.77 14.495,107.058 14.762,107.326 v1(15.24,107.326) 15.586,106.98 15.995,106.98 ; 15.009,11.834 v1(15.009,12.494) ; v1(15.107,100.914) 15.107,101.45 15.321,101.663 15.895,101.663 ; 15.66,6.539 15.66,6.843 v1(15.94,7.122) ; 15.97,32.915 15.97,33.777 v1(16.172,33.979) ; v1(16.245,113.472) 16.245,115.169 16.995,115.919 16.995,115.932 ; 16.405,88.493 15.138,88.493 14.568,89.063 14.568,89.963 15.242,90.637 v1(15.432,90.637) 16.522,91.727 16.522,92.104 16.522,92.866 ; v1(16.536,74.311) 16.601,74.246 17.245,74.246 ; 17.011,106.77 17.011,106.953 v1(17.495,107.436) ; v1(17.405,86.381) 17.405,87.143 ; v1(18.2,87.056) 18.424,86.833 19.039,86.833 ; v1(18.277,114.783) 18.277,115.048 18.646,115.417 18.773,115.417 ; v1(18.353,90.129) 18.536,89.946 19.039,89.946 ; 19.009,11.834 v1(19.009,12.494) ; v1(19.178,4.684) 19.42,4.684 19.724,4.989 19.724,5.039 20.181,5.039 20.623,5.481 20.88,5.481 ; v1(19.178,7.477) 19.42,7.477 19.724,7.173 19.724,7.123 ; 20.342,79.984 20.342,79.607 v1(20.519,79.429) ; v1@20.344,112.69 20.915,112.69 ; v1(20.46,103.058) 19.869,103.058 19.692,103.236 19.692,103.744 19.692,104.397 19.877,104.582 v1(20.46,104.582) ; 20.588,8.85 v1(20.588,9.434) ; 20.829,81.652 21.275,81.205 v1(21.361,81.205) 21.718,81.563 21.718,81.652 ; 20.915,108.317 20.915,108.405 v1(20.129,109.19) 20.915,109.19 ; 21.737,10.874 21.737,10.157 v1(21.802,10.092) ; v1(22.321,81.249) 23.154,81.249 ; v1(22.885,25.466) 24.224,25.466 ; v1(23.382,0.188) v1@23.534,0.036 ; v1(24.068,0.95) 24.068,1.293 24.27,1.496 ; v1(24.602,13.993) 24.602,13.751 24.906,13.447 24.956,13.447 24.956,13.193 25.398,12.751 25.398,12.291 ; v1(25.351,101.645) 26.201,100.796 26.201,99.731 ; 25.549,26.866 25.549,27.221 v1(25.973,27.645) ; 25.974,24.715 26.152,24.715 v1(26.543,24.324) ; v1(25.998,102.575) 26.053,102.63 26.631,102.63 27.52,102.63 ; v1(26.024,125.689) 26.024,128.681 ; 26.127,96.456 24.259,96.456 v1(23.738,96.977) 23.738,95.667 24.373,95.032 26.881,95.032 ; 26.188,22.652 26.188,23.969 v1(26.543,24.324) ; 26.354,1.28 26.354,1.472 v1(26.709,1.826) ; 27.04,13.447 27.09,13.447 27.395,13.751 v1(27.395,13.993) ; v1(27.276,36.332) 28.06,36.332 ; v1(27.378,93.026) 27.574,93.026 27.756,93.208 ; v1(27.578,5.09) 28.513,5.09 29.199,5.776 29.199,6.898 ; 27.61,23.559 27.308,23.559 v1(26.543,24.324) ; v1(27.624,41.018) 27.984,40.658 28.462,40.658 ; v1(28.157,8.925) 28.639,8.443 ; 28.233,0.823 28.233,1.204 v1(28.462,1.433) ; v1(28.564,125.689) 28.564,128.681 ; 28.767,12.583 29.122,12.583 v1(29.351,12.355) ; 28.772,97.134 29.164,97.526 29.32,97.526 29.453,97.394 29.453,97.254 29.707,97 v1(29.816,97) 30.027,97 30.108,97.081 30.121,97.081 30.128,97.089 ; 28.775,99.278 28.775,99.421 v1(28.899,99.545) 28.919,99.565 28.919,99.959 ; 29.023,96.032 29.023,95.992 29.339,95.677 v1(29.379,95.677) ; 29.072,94.469 29.351,94.748 29.351,95.206 29.613,95.468 29.587,95.468 v1(29.379,95.677) ; 29.146,92.033 29.402,91.778 v1(29.402,91.309) ; 29.74,96.179 29.74,96.038 v1(29.379,95.677) ; 29.88,98.728 29.88,99.027 30.154,99.301 30.378,99.525 v1(30.509,99.525) ; v1(30.443,7.877) 30.799,7.877 31.053,8.131 31.053,8.384 ; 30.522,98.141 30.781,98.141 v1(30.86,98.062) ; 30.573,65.413 31.297,65.413 31.462,65.248 31.462,64.848 31.664,64.646 32.159,64.646 32.314,64.646 v1(32.434,64.765) ; v1(30.86,96.002) 30.992,95.871 31.321,95.871 ; v1(31.063,13.048) 32.003,13.048 ; 31.213,98.552 31.213,98.414 v1(30.86,98.062) ; 31.368,97.921 31.228,98.062 v1(30.86,98.062) ; 31.522,94.539 31.838,94.539 v1(31.86,94.561) ; 31.64,93.187 31.78,93.187 v1(31.922,93.045) ; 31.859,96.939 31.859,97.458 v1(31.904,97.503) ; 31.873,76.246 31.914,76.246 v1(32.434,76.766) ; 32.071,95.677 32.334,95.677 v1(32.36,95.601) ; 32.159,66.245 32.314,66.245 v1(32.434,66.366) ; 32.474,26.071 32.474,26.755 32.755,27.036 v1(32.755,28.51) ; 32.529,98.344 32.598,98.344 v1(32.88,98.062) ; 32.833,95.449 33.221,95.449 v1(33.361,95.588) ; v1(32.88,97.503) v1(32.88,98.062) ; 32.96,66.486 33.114,66.486 v1(33.234,66.366) ; 33.114,62.891 33.114,63.046 v1(33.234,63.165) ; 33.188,98.344 33.162,98.344 v1(32.88,98.062) ; v1(33.234,67.966) 33.354,67.845 33.354,67.691 ; 33.263,8.264 v1(33.263,7.705) 33.89,7.078 33.918,7.078 ; v1(33.288,20.102) 33.3,20.09 33.3,19.129 ; 33.533,93.922 33.78,93.922 v1(33.86,94.002) 33.963,94.105 34.318,94.105 ; 33.92,93.25 34.117,93.25 v1(34.357,93.01) 34.401,92.966 34.401,92.695 ; 34.014,98.964 34.194,98.964 v1@34.252,99.022 ; 34.045,96.982 34.128,97.065 v1(34.86,97.065) 34.694,97.231 34.642,97.231 ; v1(34.318,99.088) v1@34.252,99.022 ; 34.327,95.164 34.327,95.523 v1(34.318,95.532) 34.318,95.594 34.67,95.945 ; 34.568,98.041 34.252,98.356 v1@34.252,99.022 ; 34.683,10.441 34.683,11.032 v1(35.091,11.44) ; 34.8,19.129 34.8,20.09 v1(34.812,20.102) ; 35.058,115.479 35.058,114.791 v1(35.344,114.505) ; v1(35.295,17.739) 35.775,18.22 35.775,19.604 ; v1(35.295,28.51) 35.295,27.188 35.727,26.756 35.727,26.198 ; 35.794,60.057 35.794,60.69 v1(35.859,60.755) ; 35.823,98.768 35.899,98.691 35.899,98.077 v1(35.876,98.054) ; 35.844,93.278 36.178,93.612 v1(36.346,93.612) 36.389,93.655 36.389,93.921 36.371,93.939 36.371,93.949 ; 35.966,95.194 36.224,95.194 v1(36.318,95.1) ; 36.251,48.537 v1(37.111,48.537) ; 37.047,14.723 37.047,15.384 v1(37.174,15.511) ; v1(37.301,7.877) 37.301,8.24 37.446,8.384 37.911,8.384 ; v1(37.769,13.048) 38.708,13.048 ; 37.912,3.159 37.912,2.692 v1(38.053,2.551) ; 38.444,1.954 v1(38.907,2.417) ; 38.525,-1.742 38.525,-2.343 v1(38.787,-2.606) ; v1(38.597,115.284) 39.114,115.284 ; 38.714,63.691 38.714,63.845 v1(38.834,63.966) ; v1(38.834,63.165) 38.954,63.046 38.954,62.891 ; v1(38.978,45.375) 39.261,45.658 40.101,45.658 ; v1(39.2,17.906) 39.759,17.906 ; 39.514,66.891 39.514,67.046 v1(39.634,67.165) ; v1(39.533,59.779) 39.728,59.974 39.728,60.639 ; 39.563,0.823 39.563,1.205 v1(39.803,1.445) ; v1(39.634,66.366) 39.754,66.245 39.908,66.245 ; v1(39.634,68.765) 39.754,68.646 39.908,68.646 ; v1(39.634,71.165) 39.754,71.046 39.908,71.046 40.806,71.045 ; v1(39.634,75.966) 39.754,75.845 39.908,75.845 ; 39.914,114.884 40.288,114.884 40.589,114.584 41.135,114.584 41.681,114.584 41.946,114.848 v1(41.946,115.317) 42.573,115.317 ; v1(40.121,7.705) 40.121,8.264 ; 40.352,64.638 40.562,64.848 41.368,64.848 v1(41.368,65.493) ; 40.858,60.678 40.858,60.589 41.112,60.335 41.173,60.335 v1(41.301,60.207) 41.301,60.234 41.62,60.553 41.62,60.678 ; v1(40.975,0.594) 40.975,1.373 ; 40.975,3.473 40.975,2.509 v1(41.06,2.423) ; v1(41.166,10.867) 41.725,10.867 ; 41.843,11.745 v1(42.402,11.745) ; v1(41.873,117.003) 42.29,116.585 42.565,116.585 ; v1(42.043,13.04) 42.271,13.268 42.6,13.268 ; v1(42.303,135.695) 42.816,135.181 43.208,135.181 43.535,134.854 43.535,134.842 ; v1(42.653,93.545) 43.407,93.545 44.31,93.545 44.534,93.321 ; 42.975,1.373 42.975,1.169 v1(43.461,0.683) ; v1(43.016,20.406) 43.318,20.104 43.318,19.354 43.318,18.659 43.429,18.548 43.429,18.298 ; 43.222,108.565 43.389,108.565 v1(43.629,108.326) 43.382,108.079 43.382,107.437 ; v1(43.397,95.925) 43.65,95.672 43.65,95.379 43.65,94.617 ; v1(43.652,12.85) 43.652,12.658 44.082,12.228 ; 44.315,101.697 44.315,100.935 44.315,100.173 44.896,100.173 v1(44.899,100.17) ; 44.363,97.057 44.971,97.057 45.01,97.096 v1(45.467,97.096) ; v1(44.958,131.572) 45.212,131.826 45.212,132.161 ; 45.175,75.243 45.571,75.243 v1(45.8,75.472) 45.82,75.452 46.499,75.452 ; v1(45.651,93.384) 45.651,93.994 46.413,93.994 ; 46.014,12.228 46.191,12.405 46.191,12.596 v1(46.445,12.85) 46.753,12.85 47.257,12.345 ; 46.102,92.721 46.548,92.721 46.841,93.014 47.365,93.014 47.365,93.68 v1(47.487,93.802) 47.598,93.913 48.147,93.913 ; 46.357,111.964 46.357,111.351 v1(46.37,111.338) ; 46.589,131.535 46.589,131.895 v1(46.812,132.118) 47.367,132.118 47.95,131.535 ; 46.697,13.764 v1(47.182,13.28) ; v1(47.383,15.121) 47.383,15.67 ; v1(47.715,3.084) 48.537,2.262 48.537,1.214 ; v1(47.86,68.427) 48,68.287 48,67.678 ; v1(48.038,60.945) 48.698,60.945 ; v1(48.137,24.764) 48.937,24.764 ; 48.231,74.702 48.231,74.101 v1(48.36,73.972) ; v1(48.357,113.455) 48.586,113.684 49.235,113.684 ; 48.732,102.652 48.894,102.652 v1(49.58,101.966) ; v1(48.757,17.637) 48.757,18.171 49.011,18.425 49.352,18.425 ; v1(49.11,71.472) 49.656,71.472 ; v1(49.392,29.069) 49.392,29.652 ; 49.58,99.675 49.58,100.828 v1(49.925,101.173) 49.925,101.585 50.582,102.242 50.839,102.242 ; v1(49.62,68.438) 49.849,68.666 49.849,69.218 ; v1(49.653,107.719) 49.709,107.719 50.102,107.326 50.146,107.326 ; v1(49.658,85.875) 49.753,85.875 50.146,85.482 ; v1(49.9,24.267) 49.912,24.279 49.912,25.239 ; 50.864,18.4 50.864,17.917 51.169,17.612 v1(51.652,17.612) ; 50.966,91.858 50.966,92.567 v1(51.119,92.72) ; 50.966,113.702 v1(50.966,114.362) ; 51.412,25.239 51.412,24.279 v1(51.424,24.267) ; v1(51.917,10.704) 51.917,11.276 ; 52,80.92 52,80.536 v1(52.186,80.35) ; v1(52,102.205) 52,102.764 52.762,102.764 ; v1(52.039,27.599) 52.602,27.599 ; 52.082,74.514 53.169,74.514 v1(53.392,74.737) ; v1(52.223,101.432) 52.58,101.075 ; 52.392,31.472 52.392,30.818 v1(52.592,30.617) 52.553,30.578 52.553,30.034 ; 52.58,99.675 52.58,101.075 ; 52.762,80.92 53.369,80.92 v1(53.608,80.681) ; v1(52.922,101.434) 52.58,101.091 52.58,101.075 ; v1(53.151,78.245) 53.372,78.024 53.372,77.369 ; v1(53.43,79.911) 54.167,79.911 54.307,79.771 55.39,79.771 ; v1(53.437,3.363) 53.437,4.464 ; v1(53.62,94.568) 53.62,94.352 53.176,93.908 54.446,93.908 ; v1(53.62,116.412) 53.62,116.196 53.176,115.752 54.446,115.752 ; 54.085,28.159 54.492,28.567 v1(54.492,28.575) ; 54.497,80.92 54.497,80.717 v1(54.878,80.336) 55.259,80.717 55.259,80.92 ; 54.497,102.764 54.497,102.561 v1(54.878,102.18) 55.259,102.561 55.259,102.764 ; v1(54.726,30.167) 55.417,30.167 ; 55.183,132.344 55.647,132.344 v1(55.952,132.649) ; 55.183,133.259 55.716,133.259 55.952,133.494 v1(55.952,133.919) ; 55.208,91.62 55.208,92.064 v1(55.36,92.217) ; 55.208,113.464 55.208,113.908 v1(55.36,114.061) ; v1(55.361,101.432) 55.58,101.213 55.58,99.675 ; v1(55.837,34.757) 55.837,35.316 ; v1(55.973,20.633) 56.388,20.219 ; v1(56.093,29.041) 56.465,28.669 ; 56.1,10.678 56.58,10.678 v1(56.681,10.577) 57.061,10.957 57.532,10.957 ; 56.301,14.228 56.301,13.828 v1(56.472,13.656) ; 56.922,78.406 57.85,78.406 v1(58.1,78.656) ; 57.12,115.682 v1(57.12,116.393) ; 57.14,93.838 v1(57.14,94.549) ; 57.347,35.801 v1(58.002,35.801) ; v1(57.379,20.369) 57.938,20.369 ; v1(57.937,3.363) 57.937,4.464 ; v1(58.078,33.081) 58.297,33.299 58.297,33.939 ; 58.297,29.855 58.69,29.855 58.741,29.905 58.86,29.905 v1(59.337,30.382) ; v1(58.51,8.138) 58.51,8.719 ; 58.58,99.675 v1(58.58,101.052) ; v1(59.008,33.862) 59.116,33.97 60.212,33.97 ; 59.159,24.754 v1(59.741,24.754) ; v1(59.193,39.069) 59.193,39.918 ; 59.418,23.118 v1(59.418,23.716) ; 59.612,19.676 59.612,20.064 v1(59.868,20.32) ; 59.997,13.123 59.997,13.333 v1(60.314,13.649) ; v1(60.051,72.54) 60.294,72.782 60.769,72.782 v1(61.733,72.782) ; 60.113,43.693 v1(60.113,44.679) ; v1(60.669,12.812) 60.882,12.812 61.288,12.406 61.304,12.406 ; 60.745,14.717 60.493,14.717 60.314,14.537 v1(60.314,13.649) ; v1(61.036,9.931) 61.036,10.206 61.304,10.474 ; 61.186,13.649 v1(60.314,13.649) ; 61.319,81.656 v1(62.052,81.656) ; 61.324,84.753 v1(62.027,84.753) ; 61.324,86.253 v1(62.027,86.253) ; 61.324,87.753 v1(62.027,87.753) ; 61.324,106.597 v1(61.883,106.597) ; 61.324,108.097 v1(61.883,108.097) ; 61.324,109.597 v1(61.883,109.597) ; 61.509,103.373 61.509,104.135 61.509,104.863 v1(61.794,105.148) ; v1(62.437,3.363) 62.437,4.464 ; v1(62.688,56.998) 63.083,56.603 63.083,55.426 ; 62.954,26.381 63.428,26.381 63.682,26.127 63.682,25.668 v1(63.513,25.5) 63.239,25.225 63.239,24.641 ; 64.32,77.196 65.082,77.196 ; v1(64.352,43.774) 64.505,43.622 64.505,43.052 ; v1(65.082,76.638) 65.082,77.196 ; v1(65.343,44.003) 65.482,44.143 65.965,44.143 ; 65.488,117.185 66.368,117.185 66.368,117.579 v1(66.167,117.78) ; v1(65.571,119.543) 66.689,119.543 ; v1(65.641,16.793) 66.25,16.793 ; 65.648,42.632 v1(66.13,43.114) ; 65.844,77.196 65.082,77.196 ; 65.935,73.111 65.935,73.809 v1(66.37,74.244) ; v1(65.939,20.295) 65.939,20.929 ; 66.067,8.904 66.845,8.904 v1(67.324,9.383) ; v1(66.339,75.855) 66.931,75.855 67.538,76.462 ; v1(66.339,76.794) 67.206,76.794 67.538,76.462 ; 66.937,4.464 66.937,2.607 v1(67.451,2.093) ; v1(67.68,77.694) 67.68,76.604 67.538,76.462 ; v1(67.781,6.335) 67.882,6.234 68.388,6.234 ; v1(67.781,7.148) 67.933,6.996 68.388,6.996 ; 67.957,47.662 v1(68.873,47.662) ; 68.017,19.943 68.461,19.943 v1(68.696,20.178) ; v1(68.21,96.51) 68.221,96.521 68.995,96.521 68.995,95.719 v1(68.769,95.494) ; 69.889,17.232 69.889,17.612 v1(70.042,17.765) ; 70.351,42.652 v1(70.351,43.462) ; 70.371,44.943 v1(70.371,44.29) 70.734,43.927 70.918,43.927 70.918,43.332 70.851,43.265 70.851,42.652 ; v1(72.023,13.396) 72.005,13.378 72.005,12.583 72.005,11.814 v1(72.048,11.77) ; 72.356,7.789 72.356,8.213 v1(72.55,8.407) ; v1(73.039,15.352) 73.364,15.677 73.981,15.677 ; 73.967,75.926 73.967,76.807 73.967,77.211 v1(74.506,77.75) ; 73.981,18.864 v1(74.824,18.864) ; v1(74.795,55.557) 75.858,55.557 ; v1(75.159,100.711) 75.742,100.711 75.742,99.831 ; v1(75.827,17.099) 76.72,17.099 ; v1(76.495,54.796) 77.89,54.796 ; v1(76.508,76.807) 77.015,76.807 77.015,75.926 ; 79.73,96.067 79.73,95.187 v1(80.225,95.187)
  BOTTOM w0.305: v1(20.85,73.698) 21.325,73.224 21.325,73.036 ; 25.584,36.688 25.584,35.806 v1(25.592,35.799) 26.036,35.354 ; 43.382,107.437 43.382,106.897 v1(43.629,106.65) ; v1(44.899,101.267) 45.477,101.845 45.785,101.845 46.674,101.845 ; 47.144,72.25 47.833,72.25 v1(47.86,72.222) ; 50.839,80.398 v1(51.487,80.398) ; v1(54.889,67.459) 56.112,67.459 ; 56.112,50.459 v1(57.142,50.459) ; 56.112,53.459 v1(57.142,53.459) ; 56.112,56.459 v1(57.142,56.459) ; 56.112,59.459 v1(57.142,59.459) ; 56.112,62.459 v1(57.142,62.459) ; 56.112,65.459 v1(57.142,65.459) ; v1(57.882,51.959) 58.912,51.959 ; v1(57.882,54.959) 58.912,54.959 ; v1(57.882,57.959) 58.912,57.959 ; v1(57.882,60.959) 58.912,60.959 ; v1(57.882,63.959) 58.912,63.959 ; v1(57.882,66.959) 58.912,66.959 60.401,66.959
  BOTTOM w0.381: v1(5.424,115.453) 5.424,116.335 6.694,116.335 ; 10.314,104.699 10.314,105.611 10.695,105.992 v1(11.444,105.992) ; 26.024,128.681 26.024,134.431 ; 33.196,96.031 33.196,95.752 v1(33.361,95.588) ; v1(42.502,113.44) 42.502,112.813 42.78,112.535 43.352,112.535 ; v1(51.337,71.765) 51.383,71.765 51.951,71.196